# Altium PCB PCB-Tester-Board.PcbDoc (part 3 of 7)
Units mm, origin at the board's own origin, x right, y up, seen from the top; angles counter-clockwise.
Board outline 400 x 300 mm, 8 copper layers (Top Layer, Inner1, Inner2, Inner3, Inner4, Inner5, Inner6, Bottom Layer), stack 1.515 mm thick; 757 components, 658 nets, 2830 pads, 1016 vias.
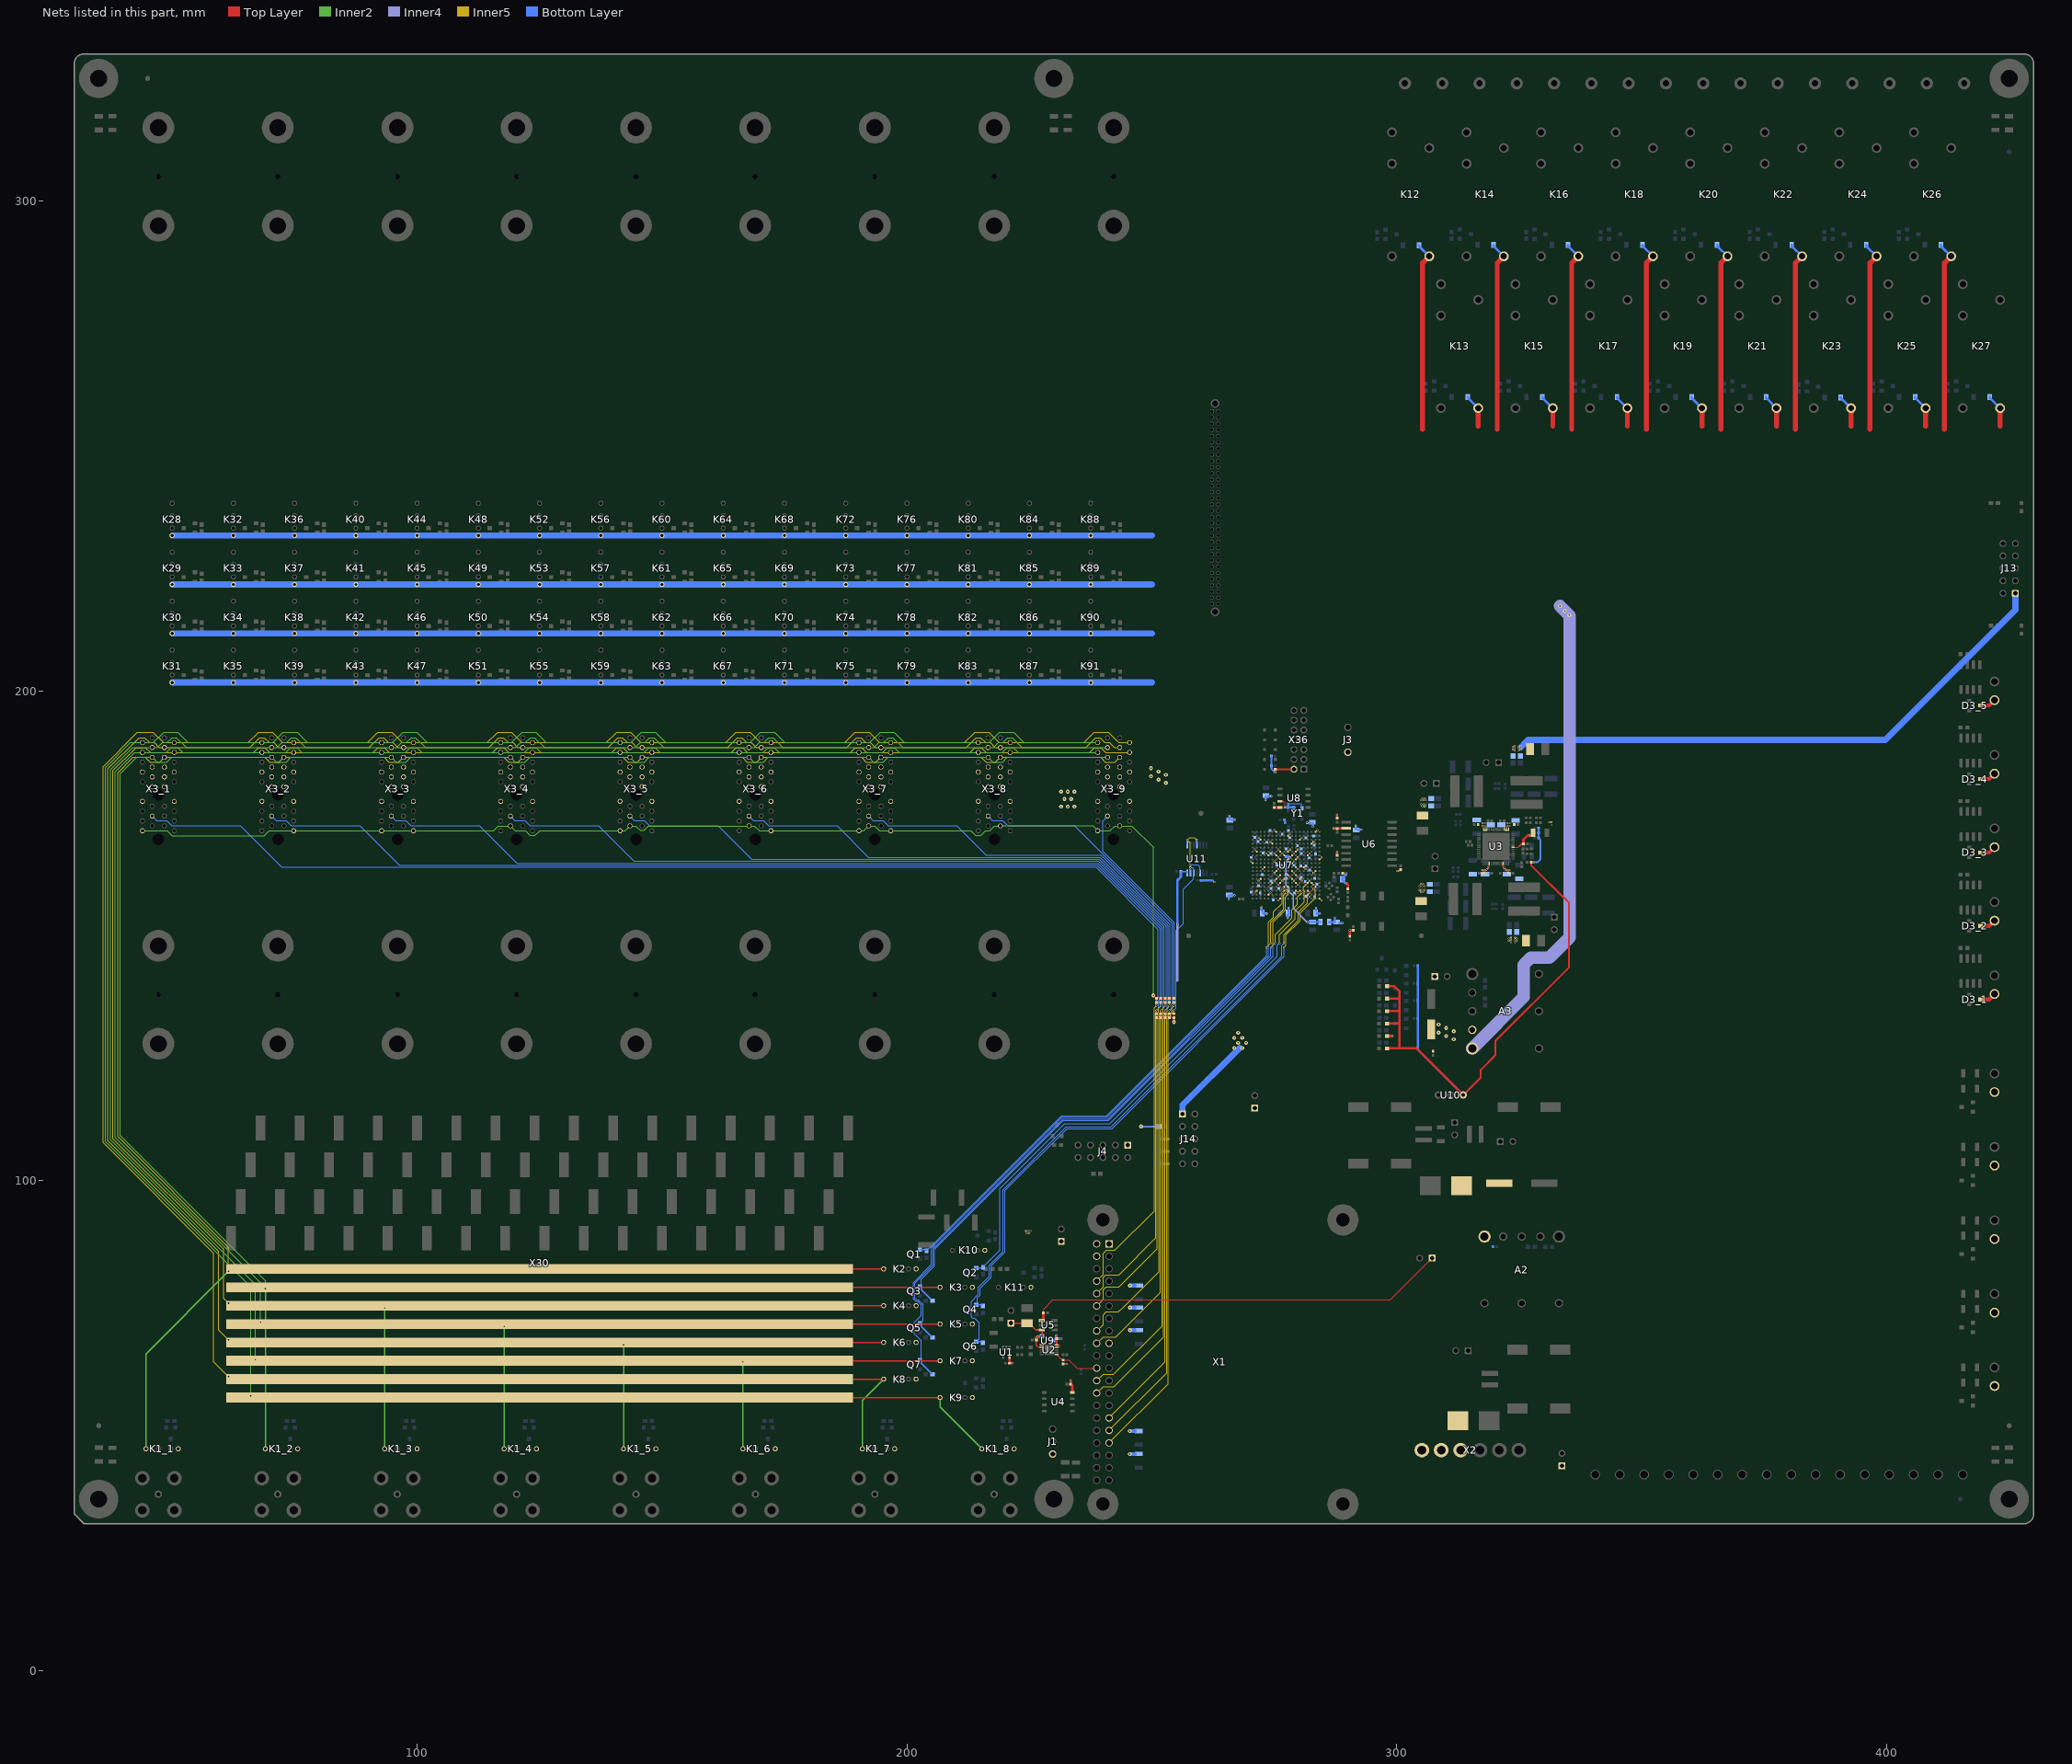
[diagram p9: the nets of this part, all layers, seen from the top]

## Part data (continued)
R39: "RES SMD 1.8K OHM 1% 1/16W 0402", 02. Distributor Part Number=311-1.80KLRCT-ND, 04. Manufacturer=Yageo, 07. Manufacturer  Part Number=RC0402FR-071K8L, 09. Operating Temperature="-55°C ~ 155°C", Package=0603, Power Rating=200mW, Tolerance=±1%, 01. Distributor=DigiKey, 03. Unit Price=0.09, 3D-Export=No, 11. RoHS=YES, 13. Created Date/Name=AUG2018/Hören, ComponentLink1Description=Info, ComponentLink1URL=https://www.digikey.de/product-detail/en/panasonic-electronic-components/ERJ-PB3B1801V/P19999DKR-ND/6215726, ComponentLink2Description=DataSheet, ComponentLink2URL=https://industrial.panasonic.com/cdbs/www-data/pdf/RDM0000/AOA0000C328.pdf
R40 R42: "RES SMD 16 OHM 1% 1/10W 0603", 02. Distributor Part Number=311-16.0HRDKR-ND, 04. Manufacturer=Yageo, 07. Manufacturer  Part Number=RC0603FR-0716RL, 09. Operating Temperature="-55°C ~ 155°C", Package=0603, Power Rating=100mW, Tolerance=±1%, 01. Distributor=DigiKey, 03. Unit Price=0.09, 3D-Export=No, 11. RoHS=YES, 13. Created Date/Name=AUG2018/Hören, ComponentLink1Description=Info, ComponentLink2Description=DataSheet, ComponentLink2URL=http://www.yageo.com/documents/recent/PYu-RC_Group_51_RoHS_L_10.pdf, Type="Thick Film"
  R40: ComponentLink1URL=https://www.digikey.de/product-detail/en/yageo/RC0603FR-0716R2L/311-16.2HRDKR-ND/732860
  R42: ComponentLink1URL=https://www.digikey.de/product-detail/en/yageo/RC0603FR-0716RL/311-16.0HRDKR-ND/732858
R41: "RES 8.56K OHM 0.1% 1/8W 0603", 02. Distributor Part Number=541-4554-6-ND, 04. Manufacturer="Vishay Dale", 07. Manufacturer  Part Number=TNPW06038K56BEEA, 09. Operating Temperature="-55°C ~ 155°C", Package=0603, Power Rating=125mW, Tolerance=±0.1%, 01. Distributor=DigiKey, 03. Unit Price=0.56, 3D-Export=No, 11. RoHS=YES, 13. Created Date/Name=AUG2018/Hören, ComponentLink1Description=Info, ComponentLink1URL=https://www.digikey.de/products/en/resistors/chip-resistor-surface-mount/52?k=&pkeyword=&sv=0&pv2085=u8.56+kOhms&pv3=370&sf=0&FV=ffe00034%2C1c00f3%2C1f140000&quantity=&ColumnSort=0&page=1&pageSize=25, ComponentLink2Description=DataSheet, ComponentLink2URL=http://www.vishay.com/docs/28758/tnpw_e3.pdf, Type="Thin Film"
R43 R94 R96 R118: "RES SMD 33 OHM 1% 1/16W 0402", 02. Distributor Part Number=311-33.0LRDKR-ND, 04. Manufacturer=Yageo, 07. Manufacturer  Part Number=RC0402FR-0733RL, 09. Operating Temperature="-55°C ~ 155°C", Package=0402, Power Rating=63mW, Tolerance=±1%, 01. Distributor=DigiKey, 03. Unit Price=0.09, 11. RoHS=YES, 13. Created Date/Name=AUG2018/Hören, ComponentLink1Description=Info, ComponentLink2Description=DataSheet, Type="Thick Film"
  R43 R118: ComponentLink1URL=https://www.digikey.de/products/en?keywords=311-33.0LRDKR-ND
  R94 R96: ComponentLink1URL=https://www.digikey.de/products/en?keywords=311-10.0KLRDKR-ND
R44 R46 R47 R160 R161 R164 R165: "RES SMD 4.7K OHM 1% 1/16W 0402", 02. Distributor Part Number=311-4.7KLRDKR-ND, 04. Manufacturer=Yageo, 07. Manufacturer  Part Number=RC0402FR-074K7L, 09. Operating Temperature="-55°C ~ 155°C", Package=0402, Power Rating=63mW, Tolerance=±1%, 01. Distributor=DigiKey, 03. Unit Price=0.09, 11. RoHS=YES, 13. Created Date/Name=AUG2018/Hören, ComponentLink1Description=Info, ComponentLink1URL=https://www.digikey.de/products/en?keywords=311-4.7KLRDKR-ND, ComponentLink2Description=DataSheet, Type="Thick Film"
R45 R159 R162: "RES SMD 330 OHM 1% 1/16W 0402", 02. Distributor Part Number=311-330LRDKR-ND, 04. Manufacturer=Yageo, 07. Manufacturer  Part Number=RC0402FR-07330RL, 09. Operating Temperature="-55°C ~ 155°C", Package=0402, Power Rating=63mW, Tolerance=±1%, 01. Distributor=DigiKey, 03. Unit Price=0.09, 11. RoHS=YES, 13. Created Date/Name=AUG2018/Hören, ComponentLink1Description=Info, ComponentLink1URL=https://www.digikey.de/products/en?keywords=311-330LRDKR-ND, ComponentLink2Description=DataSheet, Type="Thick Film"
R95 R97 R120 R121 R122 R124 R125 R126 R127 R128 R129 R130 R131 R132 R133 R134 R136 R137 R138 R139 R140 R186: "RES SMD 10K OHM 1% 1/16W 0402", 02. Distributor Part Number=311-10.0KLRDKR-ND, 04. Manufacturer=Yageo, 07. Manufacturer  Part Number=RC0402FR-0710KL, 09. Operating Temperature="-55°C ~ 155°C", Package=0402, Power Rating=63mW, Tolerance=±1%, 01. Distributor=DigiKey, 03. Unit Price=0.09, 11. RoHS=YES, 13. Created Date/Name=AUG2018/Hören, ComponentLink1Description=Info, ComponentLink1URL=https://www.digikey.de/products/en?keywords=311-10.0KLRDKR-ND, ComponentLink2Description=DataSheet, Type="Thick Film"
R99 R101 R105 R167 R168: "RES SMD 3.6K OHM 1% 1/10W 0603", 02. Distributor Part Number=311-3.60KHRCT-ND, 04. Manufacturer=Yageo, 07. Manufacturer  Part Number=RC0603FR-073K6L, 09. Operating Temperature="-55°C ~ 155°C", Package=0402, Power Rating=63mW, Tolerance=±1%, 01. Distributor=DigiKey, 03. Unit Price=0.09, 11. RoHS=YES, 13. Created Date/Name=AUG2018/Hören, ComponentLink1Description=Info, ComponentLink1URL=https://www.digikey.de/product-detail/en/yageo/RC0402FR-071K65L/YAG3043DKR-ND/5282914, ComponentLink2Description=DataSheet, Type="Thick Film"
R103: "RES SMD 1.65K OHM 1% 1/16W 0402", 02. Distributor Part Number=YAG3043DKR-ND, 04. Manufacturer=Yageo, 07. Manufacturer  Part Number=RC0402FR-071K65L, 09. Operating Temperature="-55°C ~ 155°C", Package=0402, Power Rating=63mW, Tolerance=±1%, 01. Distributor=DigiKey, 03. Unit Price=0.09, 11. RoHS=YES, 13. Created Date/Name=AUG2018/Hören, ComponentLink1Description=Info, ComponentLink1URL=https://www.digikey.de/product-detail/en/yageo/RC0402FR-071K65L/YAG3043DKR-ND/5282914, ComponentLink2Description=DataSheet, Type="Thick Film"
R107 R108 R115 R119 R163 R169 R170 R171 R172 R173 R174: library part R_19, "RES SMD 33 OHM 1% 1/16W 0402", 02. Distributor Part Number=311-33.0LRDKR-ND, 04. Manufacturer=Yageo, 07. Manufacturer  Part Number=RC0402FR-0733RL, 09. Operating Temperature="-55°C ~ 155°C", Package=0402, Power Rating=63mW, Tolerance=±1%, 01. Distributor=DigiKey, 03. Unit Price=0.09, 11. RoHS=YES, 13. Created Date/Name=AUG2018/Hören, ComponentLink1Description=Info, ComponentLink1URL=https://www.digikey.de/products/en?keywords=311-33.0LRDKR-ND, ComponentLink2Description=DataSheet, Type="Thick Film"
R109 R110 R113: "CRGP 2512 39K 1%", 02. Distributor Part Number=A130740CT-ND, 04. Manufacturer="TE Connectivity Passive Product", 07. Manufacturer  Part Number=CRGP2512F39K, 09. Operating Temperature=-xx..+yy°C, Tolerance=±1%, 01. Distributor=DigiKey, 03. Unit Price=0.44, 11. RoHS=???, 13. Created Date/Name=AUG2018/Hören, ComponentLink1Description=Info, ComponentLink2Description=DataSheet
R111 R112: "RES SMD 3.6K OHM 1% 1/10W 0603", 02. Distributor Part Number=311-3.60KHRCT-ND, 04. Manufacturer=Yageo, 07. Manufacturer  Part Number=RC0603FR-073K6L, 09. Operating Temperature=-xx..+yy°C, Tolerance=±1%, 01. Distributor=DigiKey, 03. Unit Price=0.09, 11. RoHS=???, 13. Created Date/Name=AUG2018/Hören, ComponentLink1Description=Info, ComponentLink2Description=DataSheet
R116_1 R116_2 R116_3 R116_4 R116_5 R117_1 R117_2 R117_3 R117_4 R117_5 R166_1 R166_2 R166_3 R166_4 R166_5: library part R_23, "RES SMD 12K OHM 1% 1/4W 1206", 02. Distributor Part Number=311-12.0KFRTR-ND, 04. Manufacturer=Yageo, 07. Manufacturer  Part Number=RC1206FR-0712KL, Package=1206, Tolerance=±1%, 01. Distributor=DigiKey, 03. Unit Price=0.00755, 11. RoHS=YES, ComponentLink1Description=Info, ComponentLink2Description=DataSheet
R123: library part R_24, "RES SMD 2.2 OHM 1% 1/16W 0402", 02. Distributor Part Number=311-2.20LRTR-ND, 04. Manufacturer=Yageo, 07. Manufacturer  Part Number=RC0402FR-072R2L, Package=0402, Power Rating=0.1W, Tolerance=±1%, 03. Unit Price=0.09, 11. RoHS=YES, ComponentLink1Description=Info, ComponentLink1URL=https://www.digikey.de/product-detail/en/panasonic-electronic-components/ERJ-2RKF15R0X/P15.0LDKR-ND/575530, ComponentLink2Description=DataSheet, ComponentLink2URL=https://industrial.panasonic.com/cdbs/www-data/pdf/RDA0000/AOA0000C304.pdf
R135 R141 R188: "RES SMD 1K OHM 1% 1/16W 0402", 02. Distributor Part Number=YAG1254CT-ND, 04. Manufacturer=Yageo, 07. Manufacturer  Part Number=RC0402FR-071KP, 09. Operating Temperature="-55°C ~ 155°C", Package=0402, Power Rating=63mW, Tolerance=±1%, 01. Distributor=DigiKey, 03. Unit Price=0.09, 11. RoHS=YES, 13. Created Date/Name=AUG2018/Hören, ComponentLink1Description=Info, ComponentLink1URL=https://www.digikey.de/products/en?keywords=311-10.0KLRDKR-ND, ComponentLink2Description=DataSheet, Type="Thick Film"
R142: library part R_25, "RES SMD 0 OHM JUMPER 1206", Package=1206, 11. RoHS=YES, ComponentLink1Description=Info, ComponentLink1URL=https://www.digikey.de/products/en?keywords=311-0.0JRDKR-ND, ComponentLink2Description=DataSheet
R175 R176: "RES SMD 1.8K OHM 1% 1/16W 0402", 02. Distributor Part Number=311-1.80KLRCT-ND, 04. Manufacturer=Yageo, 07. Manufacturer  Part Number=RC0402FR-071K8L, 09. Operating Temperature="-55°C ~ 155°C", Package=0402, Power Rating=63mW, Tolerance=±1%, 01. Distributor=DigiKey, 03. Unit Price=0.09, 11. RoHS=YES, 13. Created Date/Name=AUG2018/Hören, ComponentLink1Description=Info, ComponentLink1URL=https://www.digikey.de/product-detail/en/yageo/RC0402FR-071K65L/YAG3043DKR-ND/5282914, ComponentLink2Description=DataSheet, Type="Thick Film"
R177: "RES SMD 360K OHM 1% 1/4W 1206", 02. Distributor Part Number=311-360KFRCT-ND, 04. Manufacturer=Yageo, 07. Manufacturer  Part Number=RC1206FR-07360KL, 09. Operating Temperature=-xx..+yy°C, Tolerance=±1%, 01. Distributor=DigiKey, 03. Unit Price=0.09, 11. RoHS=???, 13. Created Date/Name=AUG2018/Hören, ComponentLink1Description=Info, ComponentLink2Description=DataSheet
R178 R179 R180 R181 R182 R183: "Resistor", 09. Operating Temperature=-xx..+yy°C, Tolerance=±1%, 11. RoHS=???, 13. Created Date/Name=AUG2018/Hören, ComponentLink1Description=Info, ComponentLink2Description=DataSheet
TP1 TP2 TP3 TP4 TP5 TP6 TP7 TP8 TP9 TP10 TP11 TP12 TP13: library part "DualTestpoint 100mils", "Dual testpoint, pitch 2.54mm", 02. Distributor Part Number=HMTSW-103-07-G-S-240, 04. Manufacturer="Samtec Inc.", 01. Distributor="Samtec Inc.", 03. Unit Price=0.25, 07. Manufacturer  Part Number=HMTSW-103-07-G-S-240, 11. RoHS=YES, 13. Created Date/Name=AUG2018/Hören, ComponentLink1Description=Info, ComponentLink1URL=https://www.samtec.com/products/hmtsw-103-07-g-s-240, ComponentLink2Description=DataSheet, ComponentLink2URL=http://suddendocs.samtec.com/catalog_english/hmtsw.pdf
U1: library part AD8627, "IC OPAMP JFET 5MHZ RRO SC70-5", 02. Distributor Part Number=AD8627AKSZ-R2DKR-ND, 04. Manufacturer="Analog Devices Inc.", 07. Manufacturer  Part Number=AD8627AKSZ-R2, 09. Operating Temperature="-40°C ~ 85°C", Package=SC70-5, 01. Distributor=DigiKey, 03. Unit Price=5.15, 11. RoHS=YES, 13. Created Date/Name="AUG 2018 / Hören", ComponentLink1Description=Info, ComponentLink1URL=https://www.digikey.de/product-detail/en/analog-devices-inc/AD8627AKSZ-R2/AD8627AKSZ-R2DKR-ND/3878640, ComponentLink2Description=DataSheet, ComponentLink2URL=http://www.analog.com/media/en/technical-documentation/data-sheets/AD8625_8626_8627.pdf, Part=AD8627
U2: library part MCP33151-10T-E/MN, "14-BIT 1 MSPS SGL CH SGL-ENDED S", 02. Distributor Part Number=MCP33151-10T-E/MNDKR-ND, 04. Manufacturer="Microchip Technology", Package="10-WFDFN Exposed Pad", 01. Distributor=DigiKey, 03. Unit Price=4.5, 07. Manufacturer  Part Number=MCP33151-10T-E/MN, 11. RoHS=YES, 13. Created Date/Name="AUG 2018 / Hören", ComponentLink1Description=Info, ComponentLink1URL=https://www.digikey.de/product-detail/en/microchip-technology/MCP33151-10T-E-MN/MCP33151-10T-E-MNDKR-ND/10270414, ComponentLink2Description=DataSheet, ComponentLink2URL=http://ww1.microchip.com/downloads/en/DeviceDoc/MCP33151-XX-Family-Data-Sheet-DS20006220A.pdf, NicName=MCP33151
U3: "POL - SUPIRBUCK", 02. Distributor Part Number=IRPS5401MTRPBFCT-ND, 04. Manufacturer="Infineon Technologies", 07. Manufacturer  Part Number=IRPS5401MTRPBF, MFR=Infineon, 01. Distributor=DigiKey, 03. Unit Price=6.99, 11. RoHS=YES, ComponentLink4Description=Info, ComponentLink4URL=https://www.digikey.de/products/en?keywords=XC7A15T-1CSG324C, ComponentLink5Description=DataSheet, ComponentLink5URL=https://www.xilinx.com/support/documentation/data_sheets/ds181_Artix_7_Data_Sheet.pdf, ComponentLink6Description=NXP, ComponentLink6URL=https://www.nxp.com/part/MK20DN512VMD10, MFR-PN=IRPS5401MTRPBF, NicName=IRPS5401M
U4: library part 24LC256T-I/SN, "IC EEPROM 256K I2C 400KHZ 8SOIC", 02. Distributor Part Number=24LC256T-I/SNDKR-ND, 04. Manufacturer="Microchip Technology", Package=SOIC8, 01. Distributor=DigiKey, 03. Unit Price=0.71, 07. Manufacturer  Part Number=24LC256T-I/SN, 11. RoHS=YES, 13. Created Date/Name="AUG 2018 / Hören", ComponentLink1Description=Info, ComponentLink1URL=https://www.digikey.de/product-detail/en/microchip-technology/24LC256T-I-SN/24LC256T-I-SNDKR-ND/1850685, ComponentLink2Description=DataSheet, ComponentLink2URL=http://ww1.microchip.com/downloads/en/DeviceDoc/24AA256-24LC256-24FC256-Data-Sheet-20001203W.pdf
U5: library part LT1790BCS6-5, "IC VREF SERIES 5V, 0.1% TSOT-23-6", 02. Distributor Part Number=LT1790BCS6-5#TRMPBFDKR-ND, 04. Manufacturer="Linear Technology/Analog Devices", 07. Manufacturer  Part Number=LT1790BCS6-5#TRMPBF, 09. Operating Temperature="0°C ~ 70°C (TA)", 01. Distributor=DigiKey, 03. Unit Price=2.86, 11. RoHS=YES, 13. Created Date/Name="AUG 2018 / Hören", ComponentLink1Description=Info, ComponentLink1URL=https://www.digikey.de/product-detail/en/linear-technology-analog-devices/LT1790BCS6-5-TRMPBF/LT1790BCS6-5-TRMPBFDKR-ND/1618066, ComponentLink2Description=DataSheet, ComponentLink2URL=https://www.analog.com/media/en/technical-documentation/data-sheets/1790fc.pdf, NicName=LT1790BCS6-5
U6: library part S25FL128SAGMFI000, "IC FLASH 128M SPI 133MHZ 16SOIC", 02. Distributor Part Number=1274-1000-ND, 04. Manufacturer="Cypress Semiconductor Corp", 01. Distributor=Digikey, 03. Unit Price=2.77, 07. Manufacturer  Part Number=S25FL128SAGMFI000, ComponentLink2Description=DataSheet, NickName=S25FL128SAGMFI000
U7: library part XC7A15T-CS324, "XC7A15T-1CSG324C", 04. Manufacturer=XILINX, 09. Operating Temperature="0°C ~ 85°C (TJ)", 01. Distributor=Avnet, 02. Distributor Part Number=XC7A15T-1CSG324C, 03. Unit Price=20.65, 07. Manufacturer  Part Number=XC7A15T-1CSG324C, 11. RoHS=YES, ComponentLink4Description=Info, ComponentLink4URL=https://www.digikey.de/products/en?keywords=XC7A15T-1CSG324C, ComponentLink5Description=DataSheet, ComponentLink5URL=https://www.xilinx.com/support/documentation/data_sheets/ds181_Artix_7_Data_Sheet.pdf, ComponentLink6Description=NXP, ComponentLink6URL=https://www.nxp.com/part/MK20DN512VMD10, MFR=XILINX, MFR-PN=XC7A15T-CS324, NicName=XC7A15T, POPULATED=yes
U8: library part MX25R3235FM1IH0, "IC FLASH 32M SPI 80MHZ 8SOP", 02. Distributor Part Number=1092-1175-ND, 04. Manufacturer=Macronix, 01. Distributor=DigiKey, 03. Unit Price=0.79, 07. Manufacturer  Part Number=MX25R3235FM1IH0, 13. Created Date/Name="AUG 2018 / Hören", ComponentLink1Description=Info, ComponentLink1URL=https://www.digikey.de/product-detail/en/macronix/MX25R3235FM1IH0/1092-1175-ND/5957736, ComponentLink2Description=DataSheet, ComponentLink2URL=https://www.macronix.com/Lists/Datasheet/Attachments/7534/MX25R3235F%2c%20Wide%20Range%2c%2032Mb%2c%20v1.6.pdf
U9: library part AP2138N, "IC REG LINEAR 1.8V 250MA SOT23-3", 02. Distributor Part Number=AP2138N-1.8TRG1DICT-ND, 04. Manufacturer="Diodes Incorporated", 07. Manufacturer  Part Number=AP2138N-1.8TRG1, 01. Distributor=DigiKey, 03. Unit Price=0.43, 11. RoHS=YES, ComponentLink1Description=Info, ComponentLink2Description=DataSheet
U10: library part "TSR 2-2450", "DC DC CONVERTER 5V 10W", 02. Distributor Part Number=1951-2692-ND, 04. Manufacturer="Traco Power", Package=3SIP, 01. Distributor=DigiKey, 03. Unit Price=11.31, 07. Manufacturer  Part Number="TSR 2-2450", 11. RoHS=YES, 13. Created Date/Name="AUG 2018 / Hören", ComponentLink1Description=Info, ComponentLink1URL=https://www.digikey.de/products/en/power-supplies-board-mount/dc-dc-converters/922?k=TSR2&k=&pkeyword=TSR2&sv=0&pv1525=249171&sf=0&FV=-8%7C922&quantity=&ColumnSort=0&page=1&pageSize=25, ComponentLink2Description=DataSheet, ComponentLink2URL=https://www.tracopower.com/products/tsr2.pdf
U11: library part 74LCX125, "IC BUF NON-INVERT 3.6V 14TSSOP", 02. Distributor Part Number=497-13204-1-ND, 04. Manufacturer=STMicroelectronics, 07. Manufacturer  Part Number=74LCX125YTTR, Package=TSSOP14, 01. Distributor=DigiKey, 03. Unit Price=0.51, 11. RoHS=YES, ComponentLink1Description=Info, ComponentLink2Description=DataSheet
X1: library part "RPI4B Footprint", "40 Position Elevated Socket Connector  Through Hole", 02. Distributor Part Number=ESW-120-23-L-D-LL, 04. Manufacturer="Samtec Inc.", 01. Distributor=Samtec, 03. Unit Price=5.34, 07. Manufacturer  Part Number=ESW-120-23-L-D-LL, 13. Created Date/Name="??? / Hören", ComponentLink1Description=Info, ComponentLink1URL=https://www.samtec.com/products/esw-120-23-l-d-ll, ComponentLink2Description=DataSheet, ComponentLink2URL=http://suddendocs.samtec.com/catalog_english/esw_th.pdf, System=Connector
X2: library part B6PS-VH, "CONN HEADER R/A 6POS 3.96MM", 02. Distributor Part Number=455-1652-ND, 04. Manufacturer="JST Sales America Inc.", 07. Manufacturer  Part Number=B6PS-VH(LF)(SN), 09. Operating Temperature="-25°C ~ 85°C", 01. Distributor=DigiKey, 03. Unit Price=0.38, 11. RoHS=YES, 13. Created Date/Name="AUG 2018 / Hören", ComponentLink1Description=Info, ComponentLink1URL=https://www.digikey.de/product-detail/en/jst-sales-america-inc/B6PS-VH-LF-SN/455-1652-ND/926559, ComponentLink2Description=DataSheet, ComponentLink2URL=http://www.jst-mfg.com/product/pdf/eng/eVH.pdf, System=Connector
X3_1 X3_2 X3_3 X3_4 X3_5 X3_6 X3_7 X3_8 X3_9: library part PCIE-036-02-F-D-TH, "CONN PCI EXP FMALE 36POS 0.039", 02. Distributor Part Number=SAM10625-ND, 04. Manufacturer="Samtec Inc.", 01. Distributor=DigiKey, 03. Unit Price=1.76, 07. Manufacturer  Part Number=PCIE-036-02-F-D-TH, 13. Created Date/Name="??? / Hören", ComponentLink1Description=Info, ComponentLink1URL=https://www.digikey.de/products/en?keywords=PCIE-036-02-F-D-TH, ComponentLink2Description=DataSheet, ComponentLink2URL=http://suddendocs.samtec.com/catalog_english/pcie.pdf, System=Connector
X4 X7 X10 X15 X17 X21 X25 X27: library part 691352710002, "TERM BLOCK PLUG 2POS STR 5MM", 02. Distributor Part Number=732-2775-ND, 04. Manufacturer="Würth Elektronik", 01. Distributor=DigiKey, 03. Unit Price=1.1, 07. Manufacturer  Part Number=691352710002, 13. Created Date/Name="??? / Hören", ComponentLink1Description=Info, ComponentLink1URL=https://www.digikey.de/products/en?keywords=691352710002, ComponentLink2Description=DataSheet, ComponentLink2URL=https://www.we-online.de/katalog/datasheet/6913527100xx.pdf, System=Connector
X5 X8 X11 X14 X18 X20 X23 X26: library part 1731721, "TERM BLK 2P SIDE ENT 7.62MM PCB", 02. Distributor Part Number=277-5849-ND, 04. Manufacturer="Phoenix Contact", 01. Distributor=DigiKey, 03. Unit Price=2.12, 07. Manufacturer  Part Number=1731721, 11. RoHS=YES, 13. Created Date/Name="JAN 2019 / Hören", ComponentLink1Description=Info, ComponentLink1URL=https://www.digikey.de/products/en?keywords=1731721, ComponentLink2Description=DataSheet, ComponentLink2URL=https://media.digikey.com/pdf/Data%20Sheets/Phoenix%20Contact%20PDFs/1731721.pdf, System=Connector
X6 X9 X12 X13 X16 X19 X22 X24: library part 691312710002, "TERM BLOCK HDR 2POS 90DEG 5MM", 02. Distributor Part Number=732-2805-ND, 04. Manufacturer="Würth Elektronik", 01. Distributor=DigiKey, 03. Unit Price=0.244, 07. Manufacturer  Part Number=691312710002, 13. Created Date/Name="??? / Hören", ComponentLink1Description=Info, ComponentLink2Description=DataSheet, System=Connector
X28: library part TFC-132-01-F-D-LA, "CONN HEADER TH RA 48POS 1.27MM", 04. Manufacturer="Samtec Inc.", 01. Distributor="Samtec Inc.", 02. Distributor Part Number=TFC-132-01-F-D-LA, 03. Unit Price=5, 07. Manufacturer  Part Number=TFC-132-01-F-D-LA, 11. RoHS=YES, 13. Created Date/Name="??? / Hören", ComponentLink1Description=Info, ComponentLink1URL=https://www.samtec.com/products/tfc-124-01-f-d-ra, ComponentLink2Description=DataSheet, System=Connector
X30: library part CONFIG64, "PCB Tester Configuration Matrix for 64 Relays over 8 ABUSes", 13. Created Date/Name="??? / Hören", ComponentLink1Description=Info, ComponentLink2Description=DataSheet
X31_1 X31_2 X31_3 X31_4 X31_5 X33_1 X33_2 X33_3 X33_4 X33_5: library part 691322310002, "TERM BLOCK HDR 2POS 90DEG 3.81MM", 02. Distributor Part Number=732-2088-ND, 04. Manufacturer="Würth Elektronik", 01. Distributor=DigiKey, 03. Unit Price=0.32, 07. Manufacturer  Part Number=691322310002, 11. RoHS=YES, 13. Created Date/Name="??? / Hören", ComponentLink1Description=Info, ComponentLink1URL=https://www.digikey.de/products/en?keywords=691322310002, ComponentLink2Description=DataSheet, ComponentLink2URL=https://media.digikey.com/pdf/Data%20Sheets/Wurth%20Electronics%20PDFs/Terminal%20Blocks%20WR-TBL.pdf, System=Connector
X32_1 X32_2 X32_3 X32_4 X32_5 X34_1 X34_2 X34_3 X34_4 X34_5: library part 691361300002, "TERM BLOCK PLUG 2POS STR 3.81MM", 02. Distributor Part Number=732-2076-ND, 04. Manufacturer="Würth Elektronik", 01. Distributor=DigiKey, 03. Unit Price=1.1, 07. Manufacturer  Part Number=691361300002, 13. Created Date/Name="??? / Hören", ComponentLink1Description=Info, ComponentLink1URL=https://www.digikey.de/products/en?keywords=691361300002, ComponentLink2Description=DataSheet, ComponentLink2URL=https://media.digikey.com/pdf/Data%20Sheets/Wurth%20Electronics%20PDFs/Terminal%20Blocks%20WR-TBL.pdf, System=Connector
X36: library part LTMM-107-02-F-D, "CONN HEADER VERT 14POS 2MM", 02. Distributor Part Number=LTMM-107-02-F-D-ND, 04. Manufacturer="Samtec Inc.", 01. Distributor=DigiKey, 03. Unit Price=2.38, 07. Manufacturer  Part Number=LTMM-107-02-F-D, 11. RoHS=YES, 13. Created Date/Name="??? / Hören", ComponentLink1Description=Info, ComponentLink1URL=https://www.digikey.de/product-detail/en/samtec-inc/LTMM-107-02-F-D/LTMM-107-02-F-D-ND/8723899, ComponentLink2Description=DataSheet, ComponentLink2URL=https://www.samtec.com/products/ltmm, NickName=JTAG, System=Connector
Y1: library part ASE-25.000MHZ-LC-T, "XTAL OSC XO 25.0000MHZ CMOS SMD", 02. Distributor Part Number=535-9568-1-ND, 04. Manufacturer="Abracon LLC", Frequency=25MHz, Package=4SMD, 01. Distributor=DigiKey, 03. Unit Price=1.46, 07. Manufacturer  Part Number=ASE-25.000MHZ-LC-T, 11. RoHS=YES, 13. Created Date/Name="AUG 2018 / Hören", ComponentLink1Description=Info, ComponentLink1URL=https://www.digikey.de/products/en?keywords=535-9568-1-ND, ComponentLink2Description=DataSheet
Z1 Z2 Z3 Z4: library part HSM2.5-6.4-16-2, "HEX STANDOFF M2.5 BRASS 16MM", 02. Distributor Part Number=HSM2.5-6.4-16-2-ND, 04. Manufacturer="Essentra Components", 01. Distributor=DigiKey, 03. Unit Price=2.69, 07. Manufacturer  Part Number=HSM2.5-6.4-16-2, 13. Created Date/Name="??? / Hören", ComponentLink1Description=Info, ComponentLink1URL=https://www.digikey.de/products/en/hardware-fasteners-accessories/board-spacers-standoffs/582?k=standoff&k=&pkeyword=standoff&sv=0&pv741=29561&sf=0&FV=29%7C371405%2C1839%7C370197%2C1989%7C0%2C-8%7C582&quantity=&ColumnSort=-1000009&page=1&pageSize=25, ComponentLink2Description=DataSheet, ComponentLink2URL=https://www.essentracomponents.com.sg/images-line/pdfs/HTNSP.pdf

## Via types
v1: diameter 0.4, hole 0.2, Top Layer to Bottom Layer, 601 vias
v2: diameter 0.8, hole 0.3, Top Layer to Bottom Layer, 361 vias
v3: diameter 0.7, hole 0.3, Top Layer to Bottom Layer, 54 vias

## Nets (pads, with @x,y where several pads share a name; then routed paths per layer and width w, separated by ;. In a path a pad name is that pad's centre, name@x,y a point inside that pad or via, vN(x,y) a via of type N, cw(c..) or ccw(c..) an arc to the next point about the centre after c; other vN are vias at no path point)
1V0: C66.1 C310.1 C311.1 C312.1 C313.1 C314.1 C315.1 C316.1 C317.1 C476.1 C477.1 J5.2 J6.2 U7.F8 U7.F10 U7.G7 U7.G9 U7.G11 U7.H8 U7.J7 U7.J11 U7.K8 U7.L7 U7.L11 U7.M8 U7.M10 U7.N7 U7.N9 U7.N11 | length 11.9
  Top Layer w0.152: v1(275,161.2) U7.N7@275.4,161.6 ; v1(275,162.8) U7.L7@275.4,163.2 ; v1(275,165.2) U7.J7@275.4,164.8 ; v1(275,166.8) U7.G7@275.4,166.4 ; v1(275.8,162) U7.M8@276.2,162.4 ; v1(275.8,163.6) U7.K8@276.2,164 ; v1(275.8,166) U7.H8@276.2,165.6 ; v1(275.8,167.6) U7.F8@276.2,167.2 ; v1(276.6,161.2) U7.N9@277,161.6 ; v1(276.6,166.8) U7.G9@277,166.4 ; U7.M10@277.8,162.4 v1(278.2,162) ; U7.F10@277.8,167.2 v1(278.2,167.6) ; U7.N11@278.6,161.6 v1(279,161.2) ; U7.L11@278.6,163.2 v1(279,162.8) ; U7.J11@278.6,164.8 v1(279,165.2) ; U7.G11@278.6,166.4 v1(279,166.8)
  Bottom Layer w0.457: v1(272.392,155.758) 272.392,155.308 C310.1@272.65,155.05 ; C310.1@272.75,154.55 v1(273.414,154.55) ; v1(281.681,173.05) C316.1@282.345,173.05 ; v1(282.845,172.286) C316.1@282.845,172.95
  other v1: 323.295,148.712 324.122,148.712 322.889,148.966 324.528,148.966 323.295,149.195 324.122,149.195 322.889,149.449 324.528,149.449 323.295,149.677 324.122,149.677
1V8: C9.1 C67.1 C318.1 C430.1 C431.1 C432.1 C433.1 C434.1 C435.1 J7.2 J8.2 L1.1 U7.F12 U7.H12 U7.K12 U7.M12 | length 6.1
  Top Layer w0.152: U7.M12@279.4,162.4 v1(279.8,162) ; U7.K12@279.4,164 v1(279.8,163.6) ; U7.H12@279.4,165.6 v1(279.8,166) ; U7.F12@279.4,167.2 v1(279.8,167.6)
  Bottom Layer w0.457: C318.1@283.5,155.05 v1(283.5,155.714) ; C318.1@283.6,154.55 v1(284.264,154.55) ; L1.1@286.2,152.8 C9.1@287.357,152.8 ; C9.1@287.357,153 v1(287.357,153.664) ; C9.1@288.2,152.592 v1(288.864,152.592)
  other v1: 304.927,158.928 305.41,158.928 304.673,159.334 305.156,159.334 305.638,159.334 304.673,160.161 305.156,160.161 305.638,160.161 304.927,160.567 305.41,160.567
1V8A: C10.1 C471.1 L1.2 U7.H10 | length 19.4
  Top Layer w0.152: U7.H10@277.8,165.6 v1(278.2,166)
  Inner4 w0.254: v1(278.2,166) 277.384,165.184 277.384,160.402 278.037,159.749 278.037,158.963 278.833,158.167 278.833,155.688 v1(281.714,152.808)
  Bottom Layer w0.406: C471.1@277.4,166.1 278.1,166.1 v1(278.2,166)
  Bottom Layer w0.457: v1(281.714,152.808) L1.2@284.4,152.808
2V5: C68.1 J9.2 J10.2
  other v1: 305.214,176.423 305.697,176.423 304.96,176.829 305.443,176.829 305.925,176.829 304.96,177.656 305.443,177.656 305.925,177.656 305.214,178.062 305.697,178.062
3V3: C17.1 C36.2 C37.1 C69.1 C436.1 C437.1 C438.1 C439.1 C440.1 C441.1 C442.1 C443.1 C444.1 C445.1 C446.1 C447.1 C448.1 C449.1 C450.1 C451.1 C452.1 C453.1 C454.1 C455.1 C456.1 C457.1 C458.1 C459.1 C460.1 C461.1 C462.1 C463.1 C464.1 C465.1 C466.1 C467.1 C468.1 C469.1 D5.2 J3.1 J11.2 J12.2 J13.1 R44.2 R45.2 R46.2 R47.2 R159.2 R160.2 R161.2 R164.2 R165.2 R184.2 R186.1 U6.2 U7.A7 U7.A17 U7.B10 U7.C3 U7.C13 U7.D6 U7.D16 U7.F2 U7.G5 U7.G15 U7.H18 U7.J1 U7.K4 U7.K14 U7.L17 U7.N3 U7.N13 U7.P6 U7.P8 U7.P12 U7.P16 U7.R9 U7.T2 U7.T12 U7.U5 U7.U15 U7.V8 U7.V18 U8.7 U8.8 X36.2 Y1.1 Y1.4 | length 172.4
  Top Layer w0.152: v1(270.2,165.2) U7.J1@270.6,164.8 ; v1(271,158.8) U7.T2@271.4,159.2 ; v1(271,167.6) U7.F2@271.4,167.2 ; v1(271.8,161.2) U7.N3@272.2,161.6 ; v1(271.8,170) U7.C3@272.2,169.6 ; v1(272.6,163.6) U7.K4@273,164 ; v1(273.4,166.8) U7.G5@273.8,166.4 ; U7.U5@273.8,158.4 v1(274.2,158.8) ; v1(274.2,160.4) U7.P6@274.6,160.8 ; v1(274.2,169.2) U7.D6@274.6,168.8 ; v1(275,171.6) U7.A7@275.4,171.2 ; v1(275.8,157.2) U7.V8@276.2,157.6 ; v1(275.8,160.4) U7.P8@276.2,160.8 ; v1(276.6,159.6) U7.R9@277,160 ; U7.B10@277.8,170.4 v1(278.2,170.8) ; U7.T12@279.4,159.2 v1(279.8,158.8) ; U7.P12@279.4,160.8 v1(279.8,160.4) ; U7.N13@280.2,161.6 v1(280.6,161.2) ; U7.C13@280.2,169.6 v1(280.6,170) ; U7.K14@281,164 v1(281.4,163.6) ; U7.U15@281.8,158.4 v1(282.2,158) ; U7.G15@281.8,166.4 v1(282.2,166.8) ; U7.P16@282.6,160.8 v1(283,160.4) ; U7.D16@282.6,168.8 v1(283,169.2) ; v1(283,162.8) U7.L17@283.4,163.2 ; U7.A17@283.4,171.2 v1(283.8,171.6) ; U7.V18@284.2,157.6 v1(284.6,157.2) ; U7.H18@284.2,165.6 v1(284.6,166)
  Top Layer w0.203: U8.8@276.13,176.195 276.135,176.2 v1(277.136,176.2) 277.136,177.151 276.824,177.464 U8.7@276.13,177.465 U8.7@276.13,177.465
  Top Layer w0.254: C36.2@275,176.195 C36.2@275.095,176.29 ; R159.2@288.966,162.73 289.6,162.73 v1(289.613,162.744)
  Top Layer w0.381: v1(275.2,183.3) D5.2@275.2,184 X36.2@279,184
  Top Layer w0.457: v1(287.116,171.916) C37.1@287.816,171.916 ; R47.2@287.8,166.4 v1(287.8,167.1) ; C37.1@287.8,171.9 C37.1@287.816,171.916 ; R164.2@287.8,174 v1(287.8,174.7) ; U6.2@289.65,171.933 287.833,171.933 C37.1@287.816,171.916 ; v1(289.714,160.727) 290,160.441 R45.2@290,159.6 ; R186.1@290.4,149.9 v1(290.4,151.1) R46.2@291.1,151.1 ; v1(300.1,163.225) 300.525,163.225 R165.2@300.8,163.5
  Top Layer w0.508: C36.2@275,176.195 U8.8@276.13,176.195
  Bottom Layer w0.203: v1(277.8,176.964) 277.833,176.997 280.459,176.997 280.578,176.878 280.578,176.097 Y1.1@280.625,176.05
  Bottom Layer w0.381: R184.2@260.076,161.306 262.398,161.306 v1(262.747,160.957) ; R161.2@274.375,186.7 R160.2@274.375,184.7 274.386,184.689 274.386,184.114 v1(275.2,183.3)
  Bottom Layer w0.457: v1(265.7,157.511) C456.1@265.7,158.175 ; C463.1@265.8,173.8 v1(265.8,174.464) ; C456.1@266.2,158.275 v1(266.864,158.275) ; C463.1@266.3,173.7 v1(266.964,173.7) ; v1(273.2,177.736) C451.1@273.2,178.4 ; C451.1@273.7,178.5 v1(274.364,178.5) ; C453.1@277,173.7 277.182,173.518 v1(277.182,172.99) ; v1(277.136,176.2) C17.1@277.8,176.2 278.879,176.2 278.975,176.104 Y1.4@278.975,176.05 ; v1(277.764,153.625) 277.764,154.289 C436.1@278,154.525 ; C17.1@277.8,176.3 v1(277.8,176.964) ; C436.1@277.9,155.025 v1(277.9,155.689) ; C437.1@288.871,161.726 289.613,162.468 v1(289.613,162.744) ; C437.1@288.9,161.555 288.9,161.355 289.528,160.727 v1(289.714,160.727) ; C444.1@291.611,171.775 v1(291.611,172.439) ; C444.1@292.111,171.675 v1(292.775,171.675)
  Bottom Layer w1.27: v1(325.315,188.524) 325.379,188.524 326.034,189.179 326.034,189.243 326.785,189.994 399.697,189.994 426.27,216.567 J13.1@426.27,219.92
  other v1: 324.082,187.813 324.909,187.813 323.676,188.041 325.315,188.041 324.082,188.295 324.909,188.295 323.676,188.524 324.082,188.778 324.909,188.778
3V3RPI: C1.1 C2.1 C65.1 C77.1 J1.1 J4.1 J15.2 R10.2 R11.2 R34.2 R35.2 R36.2 R37.2 R98.2 R100.2 R102.2 R104.2 R106.2 R166_1.2 R166_2.2 R166_3.2 R166_4.2 R166_5.2 TP1.1 U2.9 U2.10 U4.8 U9.3 U11.14 X1.1 X1.17 X3_1.B18 X3_2.A18 X3_3.A18 X3_3.B18 X3_4.B17 X3_5.B17 X3_5.B18 X3_6.A18 X3_6.B17 X3_7.A18 X3_7.B17 X3_7.B18 X3_8.A17 X3_9.A17 X3_9.B18 | length 295.7
  Top Layer w0.152: U2.9@230.5,66 231.107,66 231.196,66.089 231.196,66.411 231.107,66.5 U2.10@230.5,66.5
  Top Layer w0.3: R10.2@231.85,62.6 v1(232.6,62.6)
  Top Layer w0.305: v1(230.489,68.44) 230.497,68.432 230.497,67.853 C2.1@230.6,67.75
  Top Layer w0.381: U2.10@230.6,66.541 C2.1@230.6,67.75 ; v2(250.285,137.848) R34.2@250.914,137.219 R36.2@251.807,137.219 R98.2@252.7,137.219 R102.2@253.593,137.219 R106.2@254.507,137.219 ; R35.2@250.914,133.288 R37.2@251.807,133.288 R100.2@252.7,133.288 R104.2@253.593,133.288 R11.2@254.486,133.288 v2(254.486,132.4)
  Top Layer w0.508: v1(233.4,59.25) C1.1@233.4,58.5 233.75,58.15 U4.8@233.75,56.79
  Inner2 w0.203: X3_1.B18@43.937,171.428 48.971,171.428 49.999,170.4 68.801,170.4 69.829,171.428 X3_2.A18@74.813,171.428 X3_3.B18@92.75,171.428 X3_3.A18@99.25,171.428 115.6,171.428 116.6,172.428 X3_4.B17@119.062,172.428 120.063,171.428 122.087,171.428 123.051,170.464 124.111,170.464 125.076,171.428 X3_5.B18@141.437,171.428 142.438,171.428 X3_5.B17@143.438,172.428 144.662,172.428 145.532,171.558 146.336,171.558 147.207,172.428 X3_6.B17@167.736,172.428 ; X3_6.B17@167.75,172.428 168.886,172.428 169.886,171.428 X3_6.A18@172.25,171.428 X3_7.B18@190.188,171.428 191.188,171.428 X3_7.B17@192.188,172.428 192.261,172.354 193.486,172.354 194.412,171.428 X3_7.A18@196.688,171.428 213.078,171.428 214.041,170.465 215.137,170.465 216.1,171.428 216.866,171.428 217.866,172.428 X3_8.A17@219.063,172.428 219.086,172.451 237.915,172.451 X3_9.B18@238.938,171.428 241.399,171.428 242.399,172.428 X3_9.A17@243.438,172.428 245.909,172.428 250.277,168.06 250.277,137.856 v2(250.285,137.848)
  Inner4 w0.508: 255.2,140.9 v1(255.2,152.292)
  Bottom Layer w0.35: C77.1@255.9,163.1 257.2,163.1 U11.14@257.2,162.85
  Bottom Layer w0.381: U9.3@229.85,67.375 230.059,67.585 230.598,67.585 C65.1@230.764,67.75 ; v2(247.8,111.08) J15.2@251.352,111.08
  Bottom Layer w0.508: U9.3@230.059,67.585 230.489,68.014 v1(230.489,68.44) ; v1(255.2,152.292) 255.2,161.306 255.9,162.006 C77.1@255.9,162.85
  Bottom Layer w0.8: v2(245.477,44.21) 246.477,44.21 ; v2(245.477,48.9) 246.477,48.9 ; v2(245.516,69.5) R166_3.2@246.516,69.5 ; v2(245.516,74.1) R166_4.2@246.516,74.1 ; v2(245.516,78.632) R166_5.2@246.516,78.632
5V0: C4.1 D9.1 D10.1 D11.1 D12.1 D31.1 R120.2 R121.2 R124.2 R125.2 R131.2 R132.2 R138.2 R139.2 TP10.1 U1.5 U10.3 X1.2 X1.4 | length 141.9
  Top Layer w0.381: U10.3@313.54,117.5 317.118,121.078 317.118,122.652 320.116,125.65 320.116,128.516 335.09,143.49 335.09,156.757 327.422,164.425 327.422,164.978 R121.2@327.4,165 v1@328.025,165
  Top Layer w0.47: C4.1@220.9,62.75 U1.5@220.9,64.1 ; D31.1@298.005,127 300.5,127 ; D9.1@298.005,132.08 300.5,132.08 ; D10.1@298.005,134.62 300.5,134.62 ; D11.1@298.005,137.16 300.5,137.16 ; D12.1@298.005,139.7 299.5,139.7 300.5,138.7 300.5,137.16 ; U10.3@313.54,117.5 304.04,127 300.5,127 ; 300.5,127 300.5,132.08 ; 300.5,132.08 300.5,134.62 ; 300.5,134.62 300.5,137.16